# Altium PCB EVK-IRIS-W1.PcbDoc (part 3 of 9) (continued)
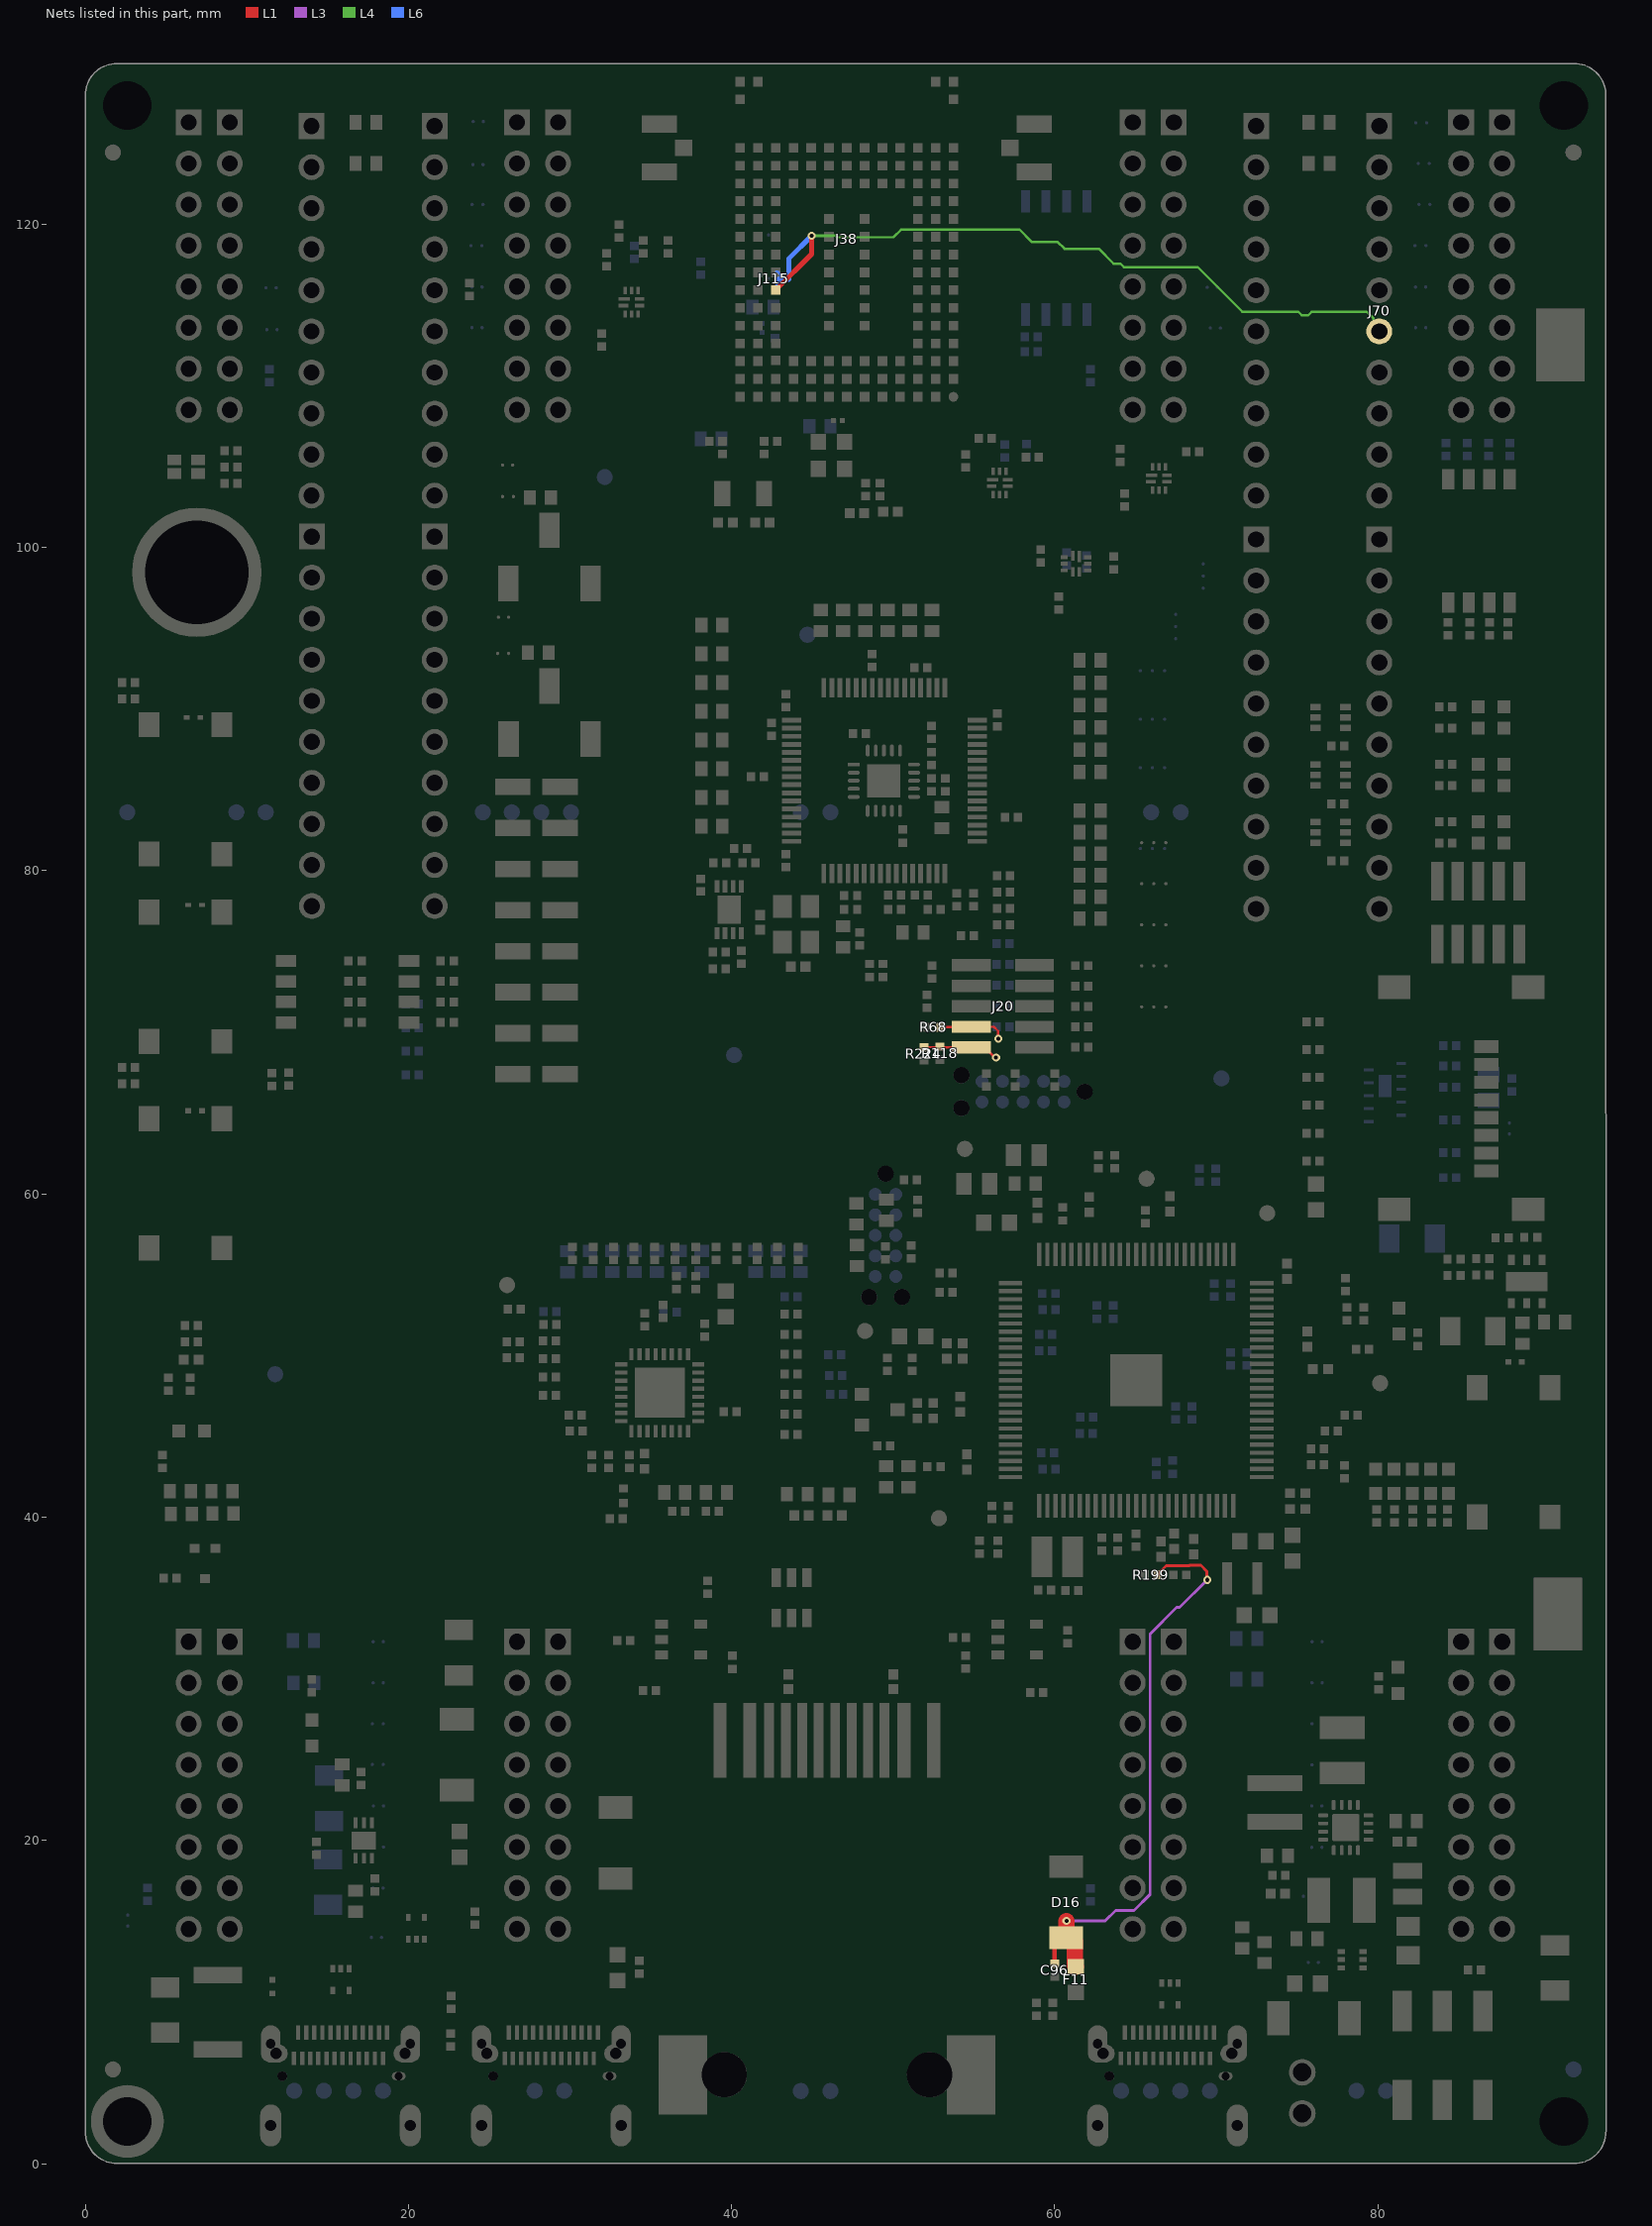
[diagram p7: the nets of this part, all layers, seen from the top]
## Part data (continued)
R85 R90: library part UBXH18-0008057, "RES THICK FILM CHIP 0402 2K2 5% 100mW", Manufacturer=YAGEO, Manufacturer P/N=2322_705_87222_L, Manufacturer P/N 2=RC0402JR-072K2L, Max Power=100mW, Tolerance=5%, Editor=roland.rust, Env=ROHS, Manufacturer 2=YAGEO, Mfg P/N Datasheet 2=https://wiki.u-blox.com/bin/view/Generic/Docs/DocumentSummary?index=8163, Mfg P/N Released=Yes, Mfg P/N Released 2=Yes, Mfg P/N Split=100, Mfg P/N Split 2=0, Mfg P/N Status=NRND, Mfg P/N Status 2=Active, Part Number=UBXH18-0008057, Part Type=Resistor, Perferred=PREF, Permitted Use="Volume Products", RefDes=R, Release Data=2007-02-09T10:46:57, Released by=roland.rust, Size=0402, UBX Wiki=https://wiki.u-blox.com/bin/view/Operations/PartDetails?index=6956
R86 R87 R88 R89 R92 R114: library part UBXH18-0008073, "RES THICK FILM CHIP 0402 10K 5% 100mW", Manufacturer=KOA, Manufacturer 2=YAGEO, Manufacturer P/N=RK73B1ETTD103J, Manufacturer P/N 2=RC0402JR-0710KL, Manufacturer P/N 3=2322_705_87103_L, Max Power=100mW, Tolerance=5%, Editor=martin.frauchiger, Env=ROHS, Manufacturer 3=YAGEO, Mfg P/N Released=Yes, Mfg P/N Released 2=No, Mfg P/N Released 3=Yes, Mfg P/N Split=100, Mfg P/N Split 2=0, Mfg P/N Split 3=0, Mfg P/N Status=NRND, Mfg P/N Status 2=Active, Mfg P/N Status 3=NRND, Part Number=UBXH18-0008073, Part Type=Resistor, Perferred=PREF, Permitted Use="Volume Products", RefDes=R, Release Data=2005-08-19T10:42:45, Released by=martin.frauchiger, Size=0402, UBX Wiki=https://wiki.u-blox.com/bin/view/Operations/PartDetails?index=6981
R91: library part UBXH18-0008065, "RES THICK FILM CHIP 0402 4K7 5% 100mW", Manufacturer=YAGEO, Manufacturer 2=KOA, Manufacturer P/N=2322_705_70472_L, Manufacturer P/N 2=RK73B1ETTD472J, Max Power=100mW, Tolerance=5%, Editor=martin.frauchiger, Env=ROHS, Mfg P/N Released=Yes, Mfg P/N Released 2=Yes, Mfg P/N Split=100, Mfg P/N Split 2=0, Mfg P/N Status=NRND, Mfg P/N Status 2=NRND, Part Number=UBXH18-0008065, Part Type=Resistor, Perferred=PREF, Permitted Use="Volume Products", RefDes=R, Release Data=2005-08-19T10:42:45, Released by=martin.frauchiger, Size=0402, UBX Wiki=https://wiki.u-blox.com/bin/view/Operations/PartDetails?index=6969
R95 R96 R203 R205: library part UBXH18-0008066, "RES THICK FILM CHIP 0402 5K1 5% 100mW", Manufacturer=Panasonic, Manufacturer P/N=ERJ-2GEJ512X, Max Power=100mW, Tolerance=5%, Editor=alvaro.nussbaum, Env=ROHS, Mfg P/N Released=No, Mfg P/N Split=100, Mfg P/N Status=Active, Part Number=UBXH18-0008066, Part Type=Resistor, Perferred=NONPREF, Permitted Use="Internal Use", RefDes=R, Release Data=2016-02-11T15:22:01, Released by=roland.rust, Size=0402, UBX Wiki=https://wiki.u-blox.com/bin/view/Operations/PartDetails?index=6972
R106 R107 R108 R109: library part UBXH18-0000010, "RES THICK FILM CHIP 0603 100PPM TEMP 5K1 1% 75V 100mW", Manufacturer=Vishay, Manufacturer P/N=CRCW06035K10FKEA, Max Operating Temp=125°C, Max Power=100mW, Max Voltage=75V, Min Operating Temp=-55°C, Tolerance=1%, Editor=jeyawarman.sinnarasa, Env=ROHS, Mfg P/N Released=No, Mfg P/N Split=100, Mfg P/N Status=Active, Part Number=UBXH18-0000010, Part Type=Resistor, Perferred=PREF, Permitted Use="Internal Use", RefDes=R, Release Data=2010-02-18T08:54:07, Released by=daniel.hurni, Size=0603, UBX Wiki=https://wiki.u-blox.com/bin/view/Operations/PartDetails?index=8409
R120 R121 R122 R124 R211 R288: library part UBXH18-0000020, "RES THICK FILM CHIP 1206 0R 0 2A", Manufacturer=KOA, Manufacturer P/N=RK73Z2BT, Max Current=2A, Max Operating Temp=125°C, Min Operating Temp=-55°C, Tolerance=0, Editor=massimo.vlacci, Env=ROHS, Mfg P/N Datasheet=https://wiki.u-blox.com/bin/view/Generic/Docs/DocumentSummary?index=8616, Mfg P/N Released=Yes, Mfg P/N Split=100, Mfg P/N Status=NRND, Part Number=UBXH18-0000020, Part Type=Resistor, Perferred=PREF, Permitted Use="Support Products", RefDes=R, Release Data=2010-03-15T11:02:19, Released by=erian.bezhani, Size=1206, UBX Wiki=https://wiki.u-blox.com/bin/view/Operations/PartDetails?index=8587
R123 R152 R199 R201 R209 R252 R254 R256 R258: library part 180-00024, "Resistor 10k ohm 1% 1/16W, 0402", Manufacturer 1="Samsung Electro-Mechanics America, Inc", Manufacturer 2="Hong Kong Resistors Manufactory", Manufacturer Part Number 1=RC1005F103CS, Manufacturer Part Number 2=RCT0210KFLF, Max Operating Temp=155, Min Operating Temp=-55, Part Name="RES SMD 10K OHM 1% 1/16W 0402", Power=1/16W, Supplier Part Number 1=1276-3431-1-ND, Tolerance="+/- 1%", Voltage=N/A, Height=0.4mm, Item Phase="In Production", Part Number=180-00024, Pins=2, Revision=0E, Size=0402, Supplier 1=Digi-Key, Supplier 2=None, Supplier Part Number 2=None, UBX Code=None, Use in new designs=Yes
R130 R131: library part 180-00056, "Resistor, 220ohm, 1%, 1/16W, 0402", Manufacturer 1="Rohm Semiconductor", Manufacturer 2="Samsung Electro-Mechanics America, Inc", Manufacturer Part Number 1=MCR01MRTF2200, Manufacturer Part Number 2=RC1005F221CS, Max Operating Temp=155, Min Operating Temp=-55, Part Name="RES SMD 220 OHM 1% 1/16W 0402", Power=1/16W, Supplier Part Number 1=RHM220CDCT-ND, Tolerance="+/- 1%", Voltage=None, Height=0.4mm, Item Phase="In Production", Part Number=180-00056, Pins=2, Revision=0A, Size=0402, Supplier 1=Digi-Key, Supplier 2=Digi-Key, Supplier Part Number 2=1276-3963-1-ND, UBX Code=None, Use in new designs=Yes
R133: library part 180-00110, "Resistor, 1.5Kohm, 1%, 1/16W, 0402", Manufacturer 1="Samsung Electro-Mechanics America, Inc", Manufacturer 2="Panasonic Electronic Components", Manufacturer Part Number 1=RC1005F152CS, Manufacturer Part Number 2=ERJ-2RKF1501X, Max Operating Temp=155, Min Operating Temp=-55, Part Name="RES SMD 1.5K OHM 1% 1/16W 0402", Power=1/16W, Supplier Part Number 1=1276-4030-1-ND, Tolerance="+/- 1%", Voltage=None, Height=0.4mm, Item Phase="In Production", Part Number=180-00110, Pins=2, Revision=0A, Size=0402, Supplier 1=Digi-Key, Supplier 2=Digi-Key, Supplier Part Number 2=P1.50KLCT-ND, UBX Code=None, Use in new designs=Yes
R135 R146 R155 R156 R157 R158 R160 R161 R162 R163 R165 R166 R167 R169 R170 R171 R172 R173 R174 R187 R188 R189 R190 R191 R192 R193 R194 R195 R224: library part 180-00021, "Resistor 1k ohm 1% 1/16W, 0402", Manufacturer 1="Hong Kong Resistors Manufactory", Manufacturer 2=Yageo, Manufacturer Part Number 1=RCT021KFLF, Manufacturer Part Number 2=RC0402FR-071KL, Max Operating Temp=155, Min Operating Temp=-55, Part Name="RES SMD 1K OHM 1% 1/16W 0402", Power=1/16W, Supplier Part Number 1=None, Tolerance="+/- 1%", Height=0.4mm, Item Phase="In Production", Part Number=180-00021, Pins=2, Revision=0E, Size=0402, Supplier 1=None, Supplier 2=Digi-Key, Supplier Part Number 2=311-1.00KLRCT-ND, UBX Code=None, Use in new designs=Yes, Voltage=None
R137: library part UBXH18-0000460, "RES THICK FILM CHIP 1206 100R 0.1% 400mW", Manufacturer=Vishay, Manufacturer P/N=TNPW1206100RBEEA, Max Operating Temp=155°C, Max Power=400mW, Min Operating Temp=-55°C, Tolerance=0.1%, Editor=jernej.bufon, Env=ROHS, Mfg P/N Datasheet=https://wiki.u-blox.com/bin/view/Generic/Docs/DocumentSummary?index=29902, Mfg P/N Released=Yes, Mfg P/N Split=100, Mfg P/N Status=Active, Part Number=UBXH18-0000460, Part Type=Resistor, Perferred=PREF, Permitted Use="Support Products", RefDes=R, Release Data=2020-12-07T16:17:04, Released by=mikhail.sialitski, Size=1206, UBX Wiki=https://wiki.u-blox.com/bin/view/Operations/PartDetails?index=29900
R145: library part UBXH18-0000138, "RES THICK FILM CHIP 0402 8K2 1% 63mW", Manufacturer=Vishay, Manufacturer P/N=CRCW04028K20FKED, Max Operating Temp=125°C, Max Power=63mW, Min Operating Temp=-55°C, Tolerance=1%, Editor=matej.budin, Env=ROHS, Mfg P/N Datasheet=https://wiki.u-blox.com/bin/view/Generic/Docs/DocumentSummary?index=21077, Mfg P/N Released=Yes, Mfg P/N Split=100, Mfg P/N Status=Active, Part Number=UBXH18-0000138, Part Type=Resistor, Perferred=PREF, Permitted Use="Support Products", RefDes=R, Release Data="2014-08-26 11:33:33.796911", Released by=pasquale.scorca, Size=0402, UBX Wiki=https://wiki.u-blox.com/bin/view/Operations/PartDetails?index=21078
R150: library part 180-00205, "RES 6.49K OHM 1% 1/16W 0402", Manufacturer 1="Stackpole Electronics Inc", Manufacturer 2=None, Manufacturer Part Number 1=RMCF0402FT6K49, Max Operating Temp=155, Min Operating Temp=-55, Power=1/16W, Supplier Part Number 1=RMCF0402FT6K49CT-ND, Tolerance="+/- 1%", Height=0.4mm, Item Phase="In Production", Manufacturer Part Number 2=None, Part Name="RES 6.49K OHM 1% 1/16W 0402", Part Number=180-00205, Pins=2, Revision=0A, Size=0402, Supplier 1=Digi-Key, Supplier 2=None, Supplier Part Number 2=None, UBX Code=None, Use in new designs=Yes, Voltage=None
R179: library part 180-00014, "Resistor, 100k ohm 1% 1/10W, 0603", Manufacturer 1="Samsung Electro-Mechanics America, Inc", Manufacturer 2="Rohm Semiconductor", Manufacturer Part Number 1=RC1608F104CS, Manufacturer Part Number 2=MCR03ERTF1003, Max Operating Temp=155, Min Operating Temp=-55, Part Name="RES SMD 100K OHM 1% 1/10W 0603", Power=1/10W, Supplier Part Number 1=1276-3486-1-ND, Tolerance="+/- 1%", Voltage=None, Height=0.55mm, Item Phase="In Production", Part Number=180-00014, Pins=2, Revision=0A, Size=0603, Supplier 1=Digi-Key, Supplier 2=Digi-Key, Supplier Part Number 2=RHM100KCFCT-ND, UBX Code=None, Use in new designs=Yes
R180: library part 180-00055, "Resistor 200k ohm 1%, 1/16W, 0402", Manufacturer 1="Rohm Semiconductor", Manufacturer 2="Samsung Electro-Mechanics America, Inc", Manufacturer Part Number 1=MCR01MRTF2003, Manufacturer Part Number 2=RC1005F204CS, Max Operating Temp=155, Min Operating Temp=-55, Part Name="RES SMD 200K OHM 1% 1/16W 0402", Power=1/16W, Supplier Part Number 1=RHM200KCDCT-ND, Tolerance="+/- 1%", Voltage=None, Height=0.4mm, Item Phase="In Production", Part Number=180-00055, Pins=2, Revision=0A, Size=0402, Supplier 1=Digi-Key, Supplier 2=Digi-Key, Supplier Part Number 2=1276-3449-1-ND, UBX Code=None, Use in new designs=Yes
R182: library part 180-00012, "Resistor 0 ohm Jumper, 1/10W, 0603", Manufacturer 1="Hong Kong Resistors Manufactory", Manufacturer 2="Samsung Electro-Mechanics America, Inc", Manufacturer Part Number 1=RCT030RLF, Manufacturer Part Number 2=RC1608J000CS, Max Operating Temp=155, Min Operating Temp=-55, Part Name="RES SMD 0.0 OHM JUMPER 1/10W 0603", Power=1/10W, Supplier Part Number 1=None, Height=0.55mm, Item Phase="In Production", Part Number=180-00012, Pins=2, Revision=0D, Size=0603, Supplier 1=None, Supplier 2=Digi-Key, Supplier Part Number 2=1276-3510-1-ND, Tolerance=None, UBX Code=None, Use in new designs=Yes, Voltage=None
R186 R196: library part 180-00037, "Resistor 2k ohm 1% 1/10W, 0603.", Manufacturer 1="Samsung Electro-Mechanics America, Inc", Manufacturer 2="Rohm Semiconductor", Manufacturer Part Number 1=RC1608F202CS, Manufacturer Part Number 2=MCR03ERTF2001, Max Operating Temp=155, Min Operating Temp=-55, Part Name="RES SMD 2K OHM 1% 1/10W 0603", Power=1/10W, Supplier Part Number 1=1276-3495-1-ND, Tolerance="+/- 1%", Voltage=None, Height=0.55mm, Item Phase="In Production", Part Number=180-00037, Pins=2, Revision=0A, Size=0603, Supplier 1=Digi-Key, Supplier 2=Digi-Key, Supplier Part Number 2=RHM2.00KCFCT-ND, UBX Code=None, Use in new designs=Yes
R197 R198 R200 R202 R207: library part UBXH18-0008042, "RES THICK FILM CHIP 0402 510R 5% 100mW", Manufacturer=YAGEO, Manufacturer P/N=2322_705_87511_L, Max Power=100mW, Tolerance=5%, Editor=peter.mueller, Env=ROHS, Mfg P/N Released=No, Mfg P/N Split=100, Mfg P/N Status=NRND, Part Number=UBXH18-0008042, Part Type=Resistor, Perferred=NONPREF, Permitted Use="Internal Use", RefDes=R, Size=0402, UBX Wiki=https://wiki.u-blox.com/bin/view/Operations/PartDetails?index=6930
R219 R220 R221 R223 R227 R228 R229 R230 R231 R232 R233 R234 R235 R236 R237 R238 R239 R240 R241 R242 R243 R245 R246 R247 R248 R250: library part 180-00023, "Resistor, 2.2Kohm, 1%, 1/16W, 0402", Manufacturer 1="Rohm Semiconductor", Manufacturer 2=Yageo, Manufacturer Part Number 1=MCR01MRTF2201, Manufacturer Part Number 2=RC0402FR-072K2L, Max Operating Temp=155, Min Operating Temp=-55, Part Name="RES SMD 2.2K OHM 1% 1/16W 0402", Power=1/16W, Supplier Part Number 1=RHM2.20KCDCT-ND, Tolerance="+/- 1%", Voltage=None, Height=0.4mm, Item Phase="In Production", Part Number=180-00023, Pins=2, Revision=0A, Size=0402, Supplier 1=Digi-Key, Supplier 2=Digi-Key, Supplier Part Number 2=311-2.20KLRCT-ND, UBX Code=None, Use in new designs=Yes
R274 R287: library part UBXH18-0000065, "RES THICK FILM CHIP 0402 10K 1% 63mW", Manufacturer=KOA, Manufacturer P/N=RK73H1ETTP1002F, Max Power=63mW, Tolerance=1%, Editor=erian.bezhani, Env=ROHS, Mfg P/N Datasheet=https://wiki.u-blox.com/bin/view/Generic/Docs/DocumentSummary?index=8222, Mfg P/N Released=Yes, Mfg P/N Split=100, Mfg P/N Status=Active, Part Number=UBXH18-0000065, Part Type=Resistor, Perferred=PREF, Permitted Use="Volume Products", RefDes=R, Release Data="2012-06-08 18:02:21.521517", Released by=massimo.vlacci, Size=0402, UBX Wiki=https://wiki.u-blox.com/bin/view/Operations/PartDetails?index=16837
RGB1: "LED RGB SMT 0606", Current=20mA, Manufacturer 1="Lite-On Inc", Manufacturer 2="QT Brightek (QTB)", Manufacturer Part Number 1=LTST-C19HE1WT, Manufacturer Part Number 2=QBLP600-RGB, Max Operating Temp=80, MFG Package=0606, Min Operating Temp=-20, Supplier Part Number 1=160-2162-1-ND, Voltage=None, Body Size="1.6mm x 1.6mm", Height=0.35mm, Item Phase="In Production", Part Name="LED RGB SMT 0606", Part Number=115-00026, Pins=4, Revision=0B, Size=Other, Supplier 1=Digi-Key, Supplier 2=Digi-Key, Supplier Part Number 2=1516-1184-1-ND, UBX Code=None, Use in new designs=Yes
SW1 SW2 SW5 SW7: "Tactile Switch, SPST-NO, SMT, Actuation force = 160g, 6mm x 6mm", Current=50mA, Manufacturer 1="C&K Components", Manufacturer 2="Seeed Technology", Manufacturer Part Number 1="PTS645SM43SMTR92 LFS", Manufacturer Part Number 2="Rigado 135-00002", Max Operating Temp=60, Min Operating Temp=-20, Part Name="Button Tactile SPST-NO 50mA 6mm SMT", Supplier Part Number 1=CKN9112CT-ND, Voltage=12VDC, Body Size="6mm x 6mm", Height=4.4mm, Item Phase="In Production", Part Number=135-00002, Pins=4, Revision=0B, Supplier 1=Digi-Key, Supplier 2="Seeed Technology", Supplier Part Number 2="Rigado 135-00002", UBX Code=None, Use in new designs=Yes
SW3 SW8: "Dip Switch SPST 4 Position Surface Mount Slide (Standard) Actuator 25mA 24VDC", Current=25mA, Manufacturer 1="C&K Components", Manufacturer 2=None, Manufacturer Part Number 1=TDA04H0SB1R, Max Operating Temp=85, Min Operating Temp=-40, Supplier Part Number 1=CKN9502TR-ND, Voltage=24V, Arena Link=https://app.bom.com/a/4M5DJQ9Q9SR7OCE3?v=spec.summary, Component Mounting Type=SMT, Height=2.35mm, Item Phase=Unreleased, Item_Phase=Pre-Production, Length=6.2mm, Manufacturer Part Number 2=None, Part Name=TDA04H0SB1R, Part Number=137-00012, Part_Type=Switch, Pins=8, Revision=A, Supplier 1=Digi-Key, Supplier 2=None, Supplier Part Number 2=None, Switch/Button Circuit=SPST, Switch/Button Function=On-Off, UBX Code=None, Use in new designs=Yes, Width=6.2mm
SW6: "Switch Slide DPDT, 300mA, 6V, SMT", Current=300mA, Manufacturer 1="C&K Components", Manufacturer 2="Seeed Technology", Manufacturer Part Number 1=JS202011SCQN, Manufacturer Part Number 2="Rigado 137-00006", Max Operating Temp=85, Min Operating Temp=-40, Part Name="Switch Slide DPDT 300mA 6V SMT", Supplier Part Number 1=401-2002-1-ND, Voltage=6V, Height=3.5mm, Item Phase="In Production", Part Number=137-00006, Pins=6, Revision=0B, Supplier 1=Digi-Key, Supplier 2="Seeed Technology", Supplier Part Number 2="Rigado 137-00006", UBX Code=None, Use in new designs=Yes
T1: "WE-RJ45 LAN Transformer, 1 Port, 10/100 Base-T, Tab Up", Manufacturer="Wurth Elektronik", Operating Temperature Max=85°C, Operating Temperature Min=-40°C, Category="Filtered Connectors", ComponentLink1Description="Website Link", ComponentLink1URL=https://www.we-online.com/redexpert/article/74980111211?ad, ComponentLink2Description="Datasheet Link", ComponentLink2URL=https://www.we-online.com/redexpert/spec/74980111211?ad, Data Rate="10/100 Base-T", Height=13.61mm, LED=yellow-green, Length=25.4mm, Manufacturer Part Number=74980111211, Match Code="WE-RJ45 LAN", Mount="Surface Mount", Number of Ports=1, Packaging="Tape and Reel", PoE=non-PoE, Shield Tabs=Yes, Tab=Up, USB="No USB", Width=16.1mm
TP1 TP2 TP3 TP4 TP5 TP6 TP7 TP8 TP9 TP10 TP11 TP12 TP13 TP14 TP15 TP16 TP17 TP18 TP19 TP20 TP21 TP22 TP23 TP24 TP25 TP26 TP27 TP28 TP29 TP30 TP31 TP32 TP33 TP111 TP112 TP141 TP142: library part TP10R, "Testpoint, Round 1.0mm Dia", Added By="Jeremy D", Checked By="Paul B", DNP=DNP, Height=0, Part Number=TP10R, Size=1.0mm
  TP1 TP2 TP3 TP4 TP5 TP6 TP7 TP8 TP9 TP10 TP11 TP12 TP13 TP14 TP15 TP16 TP17 TP18 TP19 TP20 TP21 TP22 TP23 TP24 TP25 TP26 TP27 TP28 TP29 TP30 TP33 TP111 TP112 TP141 TP142: Added Date=2015-02-01, Checked Date=2015-02-05
  TP31 TP32: Added Date=2/1/2015, Checked Date=2/5/2015
TP101 TP102 TP103 TP104: library part TP4.5x3Sq, "Testpoint, Rectangular 4.5mm x 3mm", Added By="Jeremy D", Added Date=2015-08-21, DNP=DNP, Height=0, Part Number=TP4.5x3Sq, Size="4.5mm x 3mm"
U1: "IC TXRX ETHERNET 32QFN", Manufacturer 1="Microchip Technology", Manufacturer Part Number 1=KSZ8081RNBCA-TR, Max Operating Temp=70, MFG Package="32-QFN (5x5)", Min Operating Temp=0, Part Name=KSZ8081RNBCA, Supplier Part Number 1=576-4175-1-ND, Voltage=None, Body Size="5mmx 5mm", Height=1mm, Interface=RMII, Item Phase="In Production", Part Number=220-00037, Pins=32, Revision=0A, SMT Pitch=0.5mm, Supplier 1=Digi-Key, Thermal Pad=Yes, UBX Code=None, Use in new designs=Yes
U2: "IC, Flash 128MBIT, 108MHz, 8SOIC", Manufacturer 1="Cypress Semiconductor Corp", Manufacturer 2=None, Manufacturer Part Number 1=S25FL127SABMFI101, Max Operating Temp=85, MFG Package=8-SOIC, Min Operating Temp=-40, Part Name="IC Flash 128MBIT 108MHz 8SOIC", Supplier Part Number 1=1274-1045-ND, Voltage=3.6V, Body Size="5.28mm x 5.28mm", Height=2.16mm, Interface=SPI, Item Phase=Unreleased, Manufacturer Part Number 2=None, Memory Size=128Mbit, Memory Speed=108MHz, Memory Type="Flash - NOR", Part Number=240-00017, Pins=8, Revision=None, SMT Pitch=1.27mm, Supplier 1=Digi-Key, Supplier 2=None, Supplier Part Number 2=None, Thermal Pad=No, UBX Code=None, Use in new designs=Yes
U3 U4 U7: "Buffer, Non-Inverting 2 Element 1 Bit per Element Push-Pull Output SC-70-6", Manufacturer 1="Texas Instruments", Manufacturer 2="ON Semiconductor", Manufacturer Part Number 1=SN74LVC2G34DCKR, Manufacturer Part Number 2=NC7WZ16P6X, Max Operating Temp=125, MFG Package=SC-70-6, Min Operating Temp=-40, Part Name="IC BUF NON-INVERT 5.5V SC70-6", Supplier Part Number 1=296-13497-1-ND, Voltage=5.5V, Body Size="1.25mm x 2mm", Height=1.1mm, Item Phase="In Production", Logic Type=Buffer, Part Number=225-00022, Pins=6, Revision=0A, SMT Pitch=0.65mm, Supplier 1=Digi-Key, Supplier 2=Digi-Key, Supplier Part Number 2=NC7WZ16P6XCT-ND, Thermal Pad=No, UBX Code=None, Use in new designs=Yes
U5 U8: "No Description Available", Mfr_Name=Nexperia, Copyright="Copyright (C) 2023 Ultra Librarian. All rights reserved.", Manufacturer_Part_Number=74LVC1G07GV_SOT753, RefDes=RefDes, Type=DEV
U6: library part 265-00056, "IC,MOSFET LOAD SWITCH 2.4A 3-5.5V 0.048OHM HF-ROHS", Current=3A, Manufacturer 1="Monolithic Power Systems Inc", Manufacturer 2=None, Max Operating Temp=125, MFG Package=SOT-563, Min Operating Temp=-40, Voltage=5.5V, Application="Power Switch", Body Size="1.6mm x 1.2mm", Height=0.6mm, Interface=None, Item Phase=Unreleased, Manufacturer Part Number 1=MP5075GTF, Manufacturer Part Number 2=None, Part Name=MP5075GTF, Part Number=265-00056, Pins=6, Reg Outputs="1xLoad Switch", Revision=None, SMT Pitch=0.5mm, Supplier 1="Monolithic Power Systems Inc", Supplier 2=None, Supplier Part Number 1=MP5075GTF, Supplier Part Number 2=None, Thermal Pad=N/A, UBX Code=None, Use in new designs=Yes
U9: library part CDDFN10-0516P, "4.5V, 7.2V Clamp 4A (8/20µs) Ipp Tvs Diode Surface Mount 10-DFN (4.1x2)", Mfr_Name=BOURNS, RefDes=RefDes, Type=Type
U10: library part CMP-0162-00287-1, "2K, 256x8 or 128x16-bit, 1.8V Microwire Serial EEPROM, 8-Pin DFN, Industrial Temperature, Tape and Reel", Manufacturer=Microchip, DatasheetVersion="revF, May-2008", Manufacturer P/N=93AA56CT-I/MC, PackageDescription="8-Lead Plastic Dual Flat, No Lead Package (MC) - 2x3x0.9mm Body [DFN]", PackageReference=DFN-MC8, PackageVersion="revBB, Aug-2009", Part Type="EEPROM IC"
U11: "STEP DOWN DC-DC CONVERTER 3-17V 3A TPS62132 3V3", Manufacturer="Texas Instruments", Manufacturer P/N=TPS62132RGTT, Max Operating Temp=85°C, Min Operating Temp=-40°C, PartNumber=TPS62132RGTR, Rating=Catalog, Switch Current Limit(Typ)(A)=4.2, Code_JEDEC=MO-220, ComponentLink1Description=Datasheet, ComponentLink1URL=http://www.ti.com/general/docs/lit/getliterature.tsp?genericPartNumber=TPS62132&fileType=pdf, ComponentLink2Description="Package Specification", ComponentLink2URL=http://www.ti.com/litv/pdf/mpqf119g, ComponentLink3Description="URL Link1", ComponentLink3URL="Samples URL:http://www.ti.com/product/tps62132#samples", DatasheetVersion=SLVSAG7, Duty Cycle(Max)(%)=100, Eco-Plan="Green (RoHS & no Sb/Br)", Editor=andre.pick, Env=GREEN, Iout(Max)(A)=3, Iq(Typ)(mA)=0.017, Mfg P/N Datasheet=https://wiki.u-blox.com/bin/view/Generic/Docs/DocumentSummary?index=19244, Mfg P/N Released=Yes, Mfg P/N Split=100, Mfg P/N Status=Active, Mounting Technology="Surface Mount", PackageDescription="16-Pin Plastic Quad Flat No-Lead, 3 x 3 mm Body, 0.5 mm Pitch, 1.7 x 1.7 mm Exposed Pad", PackageReference=RGT0016C, PackageVersion="revH, Oct-2011", Part Number=UBXH12-0000160, Part Type=Regulator, Perferred=PREF, Permitted Use="Support Products", Preset Vout(V)=3.3, RefDes=U, Regulated Outputs(#)=1, Release Data=2021-03-11T12:33:47, Released by=alvaro.nussbaum, SubFamily="Step-Down Regulator", Synchronous Rectification=TRUE, Topology=Buck, UBX Wiki=https://wiki.u-blox.com/bin/view/Operations/PartDetails?index=22570, Vin(Max)(V)=17, Vin(Min)(V)=3, Vout(Max)(V)=3.3, Vout(Min)(V)=3.3
U12: "Integrated Circuit", Manufacturer_Name="Diodes Inc.", Mouser Part Number=621-AP2151FMG-7, Arrow Part Number=AP2151FMG-7, Arrow Price/Stock=https://www.arrow.com/en/products/ap2151fmg-7/diodes-incorporated, Datasheet Link=https://datasheet.datasheetarchive.com/originals/distributors/Datasheets-DGA5/445518.pdf, Height=0.605mm, Manufacturer_Part_Number=AP2151FMG-7, Mouser Price/Stock=https://www.mouser.co.uk/ProductDetail/Diodes-Incorporated/AP2151FMG-7?qs=oUsD4qhOtFx1r%252BOm2s%252BIKA%3D%3D
U13: "NXP - LPC55S69JBD100K - MCU, 32BIT, 100MHZ, HLQFP", Manufacturer_Name=NXP, Mouser Part Number=771-LPC55S69JBD100K, Arrow Part Number=LPC55S69JBD100K, Arrow Price/Stock=https://www.arrow.com/en/products/lpc55s69jbd100k/nxp-semiconductors?region=nac, Datasheet Link=https://au.mouser.com/datasheet/2/302/LPC55S6x-1536969.pdf, Geometry.Height=1.6mm, Manufacturer_Part_Number=LPC55S69JBD100K, Mouser Price/Stock=https://www.mouser.co.uk/ProductDetail/NXP-Semiconductors/LPC55S69JBD100K?qs=0lSvoLzn4L8rE5nEAmBIGw%3D%3D
U16 U17 U18 U19: "No Description Available", Mfr_Name=NXP, Copyright="Copyright (C) 2023 Ultra Librarian. All rights reserved.", Manufacturer_Part_Number=NX3DV42GU10X, RefDes=RefDes, Type=DEV
U20: library part UBXH12-0000459, "LOW DROPOUT REGULATOR ON SEMICONDUCTOR NCP692MN33T2G 6DFN 3.3V 6V 1A", Manufacturer="ON Semiconductor", Max Current=1A, Max Operating Temp=125°C, Max Voltage=6V, Min Operating Temp=-40°C, Editor=hakan.ekfors, Env=ROHS, Manufacturer P/N=NCP692MN33T2G, Mfg P/N Datasheet=https://wiki.u-blox.com/bin/view/Generic/Docs/DocumentSummary?index=35425, Mfg P/N Released=Yes, Mfg P/N Split=100, Mfg P/N Status=Active, Part Number=UBXH12-0000459, Part Type=Regulator, Perferred=PREF, Permitted Use="Volume Products", RefDes=U, Release Data=2021-08-23T15:14:48, Released by=markus.wejrot, UBX Wiki=https://wiki.u-blox.com/bin/view/Operations/PartDetails?index=35423
U21: "Shunt Voltage Reference IC Fixed 3V V ±0.5% 15 mA SOT-23-3"
U108: library part UBXH10-0000092, "FTDI FT4232HL QUAD HIGH SPEED USB TO MULTIPURPOSE UART LQFP-64", Manufacturer="FTDI Future Technology Devices International", Max Operating Temp=85°C, Min Operating Temp=-40°C, Editor=olof.viklund, Env=ROHS, Manufacturer P/N=FT4232HL, Mfg P/N Datasheet=https://wiki.u-blox.com/bin/view/Generic/Docs/DocumentSummary?index=16016, Mfg P/N Released=No, Mfg P/N Split=100, Mfg P/N Status=Active, Part Number=UBXH10-0000092, Part Type=Interface, Perferred=PREF, Permitted Use="Support Products", RefDes=U, Release Data=2021-08-27T14:44:23, Released by=aneeb.sohail, UBX Wiki=https://wiki.u-blox.com/bin/view/Operations/PartDetails?index=35482
U109: library part UBXH10-0000054, "FTDI USB TO SERIAL FULL UART INTERFACE QFN20", Manufacturer="FTDI Future Technology Devices International", Max Operating Temp=85°C, Min Operating Temp=-40°C, Editor=adam.johansson, Env=ROHS, Manufacturer P/N=FT231XQ-R, Mfg P/N Datasheet=https://wiki.u-blox.com/bin/view/Generic/Docs/DocumentSummary?index=33707, Mfg P/N Released=Yes, Mfg P/N Split=100, Mfg P/N Status=Active, Part Number=UBXH10-0000054, Part Type=Interface, Perferred=PREF, Permitted Use="Support Products", RefDes=U, Release Data=2022-03-08T12:58:15, Released by=jaka.bevk, UBX Wiki=https://wiki.u-blox.com/bin/view/Operations/PartDetails?index=27258
X1: "XTAL, 2Pin, 32.768kHz, 7pF 20ppm", Manufacturer 1="AVX Corporation", Manufacturer 2=Epson, Manufacturer Part Number 1=ST3215SB32768C0HPWBB, Manufacturer Part Number 2="FC-135 32.7680KA-AG3", Max Operating Temp=85, MFG Package=2-SMD, Min Operating Temp=-40, Part Name="XTAL 32.768kHz 7pF 20ppm 3215", Supplier Part Number 1=1253-1113-1-ND, Voltage=None, Body Size="3.2mm x 1.5mm", Height=0.9mm, Item Phase="In Production", Part Number=100-00005, Pins=2, Revision=0C, Supplier 1=Digi-Key, Supplier 2=Digi-Key, Supplier Part Number 2=SER4086CT-ND, UBX Code=None, Use in new designs=Yes
X2: "XTAL, 4Pin, 12.0000MHz, 18pF, 20ppm, 4Pins", Manufacturer 1="Abracon LLC", Manufacturer 2="AVX Corporation", Manufacturer Part Number 1=ABM8-12.000MHZ-B2-T, Manufacturer Part Number 2=CX3225GB12000P0HPQCC, Max Operating Temp=75, MFG Package=4-SMD, Min Operating Temp=-20, Part Name="XTAL 12MHz 18pF 20ppm 3225", Supplier Part Number 1=535-9826-1-ND, Voltage=None, Body Size="3.2mm x 2.5mm", Height=0.8mm, Item Phase=Unreleased, Part Number=100-00006, Pins=4, Revision=None, Supplier 1=Digi-Key, Supplier 2=Digi-Key, Supplier Part Number 2=1253-1168-1-ND, UBX Code=None, Use in new designs=Yes
X3: "No Description Available", Mfr_Name="KYOCERA AVX", Copyright="Copyright (C) 2023 Ultra Librarian. All rights reserved.", Manufacturer_Part_Number=CX3225GA16000D0PTVCC, RefDes=RefDes, Type=DEV

## Free pads (board coordinates)
  round 8 hole 6.4: 4(6.907,98.45)
  round 4.5 hole 3: 5(2.607,2.609)
  round 0 hole 3 unplated: 5(2.607,127.329) 6(91.507,127.329)
  round 0.4 hole 3 unplated: 6(91.507,2.609)

## Via types
v1: diameter 0.508, hole 0.254, L1 to L6, 992 vias
v2: diameter 0.508, hole 0.254, L1 to L6, tented both sides, 288 vias
v3: diameter 0.5, hole 0.25, L1 to L6, 184 vias
v4: diameter 0.6, hole 0.3, L1 to L6, 27 vias
v5: diameter 0.5, hole 0.3, L1 to L6, 5 vias
v6: diameter 0.5, hole 0.2, L1 to L6, tented top, 2 vias
v7: diameter 0.6, hole 0.3, L1 to L6, tented both sides, 1 vias

## Nets (pads, with @x,y where several pads share a name; then routed paths per layer and width w, separated by ;. In a path a pad name is that pad's centre, name@x,y a point inside that pad or via, vN(x,y) a via of type N, cw(c..) or ccw(c..) an arc to the next point about the centre after c; other vN are vias at no path point)
5V_USB_ML: C96.2 D16.1 F11.1 R199.2 | length 36.2
  L1 w0.178: R199.2@66.362,36.437 66.362,36.452 66.903,36.993 68.327,36.993 68.352,37.018 69.037,37.018 69.415,36.639 69.415,36.146 v1(69.442,36.119)
  L1 w0.254: C96.2@59.991,12.355 59.991,13.398 60.564,13.971 D16.1@60.702,13.971
  L1 w1.016: v1(60.73,15.011) 60.73,13.999 D16.1@60.702,13.971 61.052,13.971 61.244,13.779 61.244,12.246 F11.1@61.296,12.194
  L3 w0.178: v1(60.73,15.011) 63.117,15.011 63.768,15.662 64.909,15.662 65.899,16.653 65.899,32.76 67.547,34.408 67.731,34.408 v1(69.442,36.119)
7: J20.7 R68.2 | length 4.3
  L1 w0.15: R68.2@52.983,70.375 R68.2@52.916,70.307 54.817,70.307 J20.7@54.843,70.333 56.236,70.333 56.493,70.075 56.493,69.618 v1(56.515,69.596)
  L6 w0.15: v1@56.515,69.572 v1(56.515,69.596)
9: J20.9 R118.2 R224.2 | length 4.8
  L1 w0.15: R224.2@51.917,69.056 R224.2@51.898,69.075 52.87,69.075 R118.2@52.902,69.107 52.946,69.063 J20.9@54.843,69.063 54.894,69.012 55.714,69.012 56.272,68.453 v1@56.337,68.453
  other v1: 56.363,68.428
+1V8: J38.L7 J70.6 J115.1 | length 48
  L1 w0.305: J38.L7@42.731,115.912 44.956,118.137 v1(44.956,119.278)
  L4 w0.152: v1@44.877,119.253 46.263,119.253 ; v1(44.956,119.278) 46.435,119.278 46.532,119.182 50.016,119.182 50.494,119.66 57.817,119.66 58.572,118.905 60.168,118.905 60.605,118.468 62.719,118.468 63.633,117.554 64.061,117.554 64.275,117.339 68.845,117.339 71.614,114.571 75.071,114.571 75.288,114.353 75.686,114.353 75.904,114.571 79.306,114.571 79.727,114.15 79.727,114.11 80.085,113.751 J70.6@80.085,113.359
  L6 w0.305: J115.1@42.917,116.586 43.554,116.586 43.554,117.876 v1(44.956,119.278)